# Altium PCB SEC_3002_DZ&HL.PcbDoc (part 3 of 7)
Units mm, origin at the board's own origin, x right, y up, seen from the top; angles counter-clockwise.
Board outline 200 x 170 mm, 2 copper layers (Top Layer, Bottom Layer); 589 components, 413 nets, 1696 pads, 1215 vias.
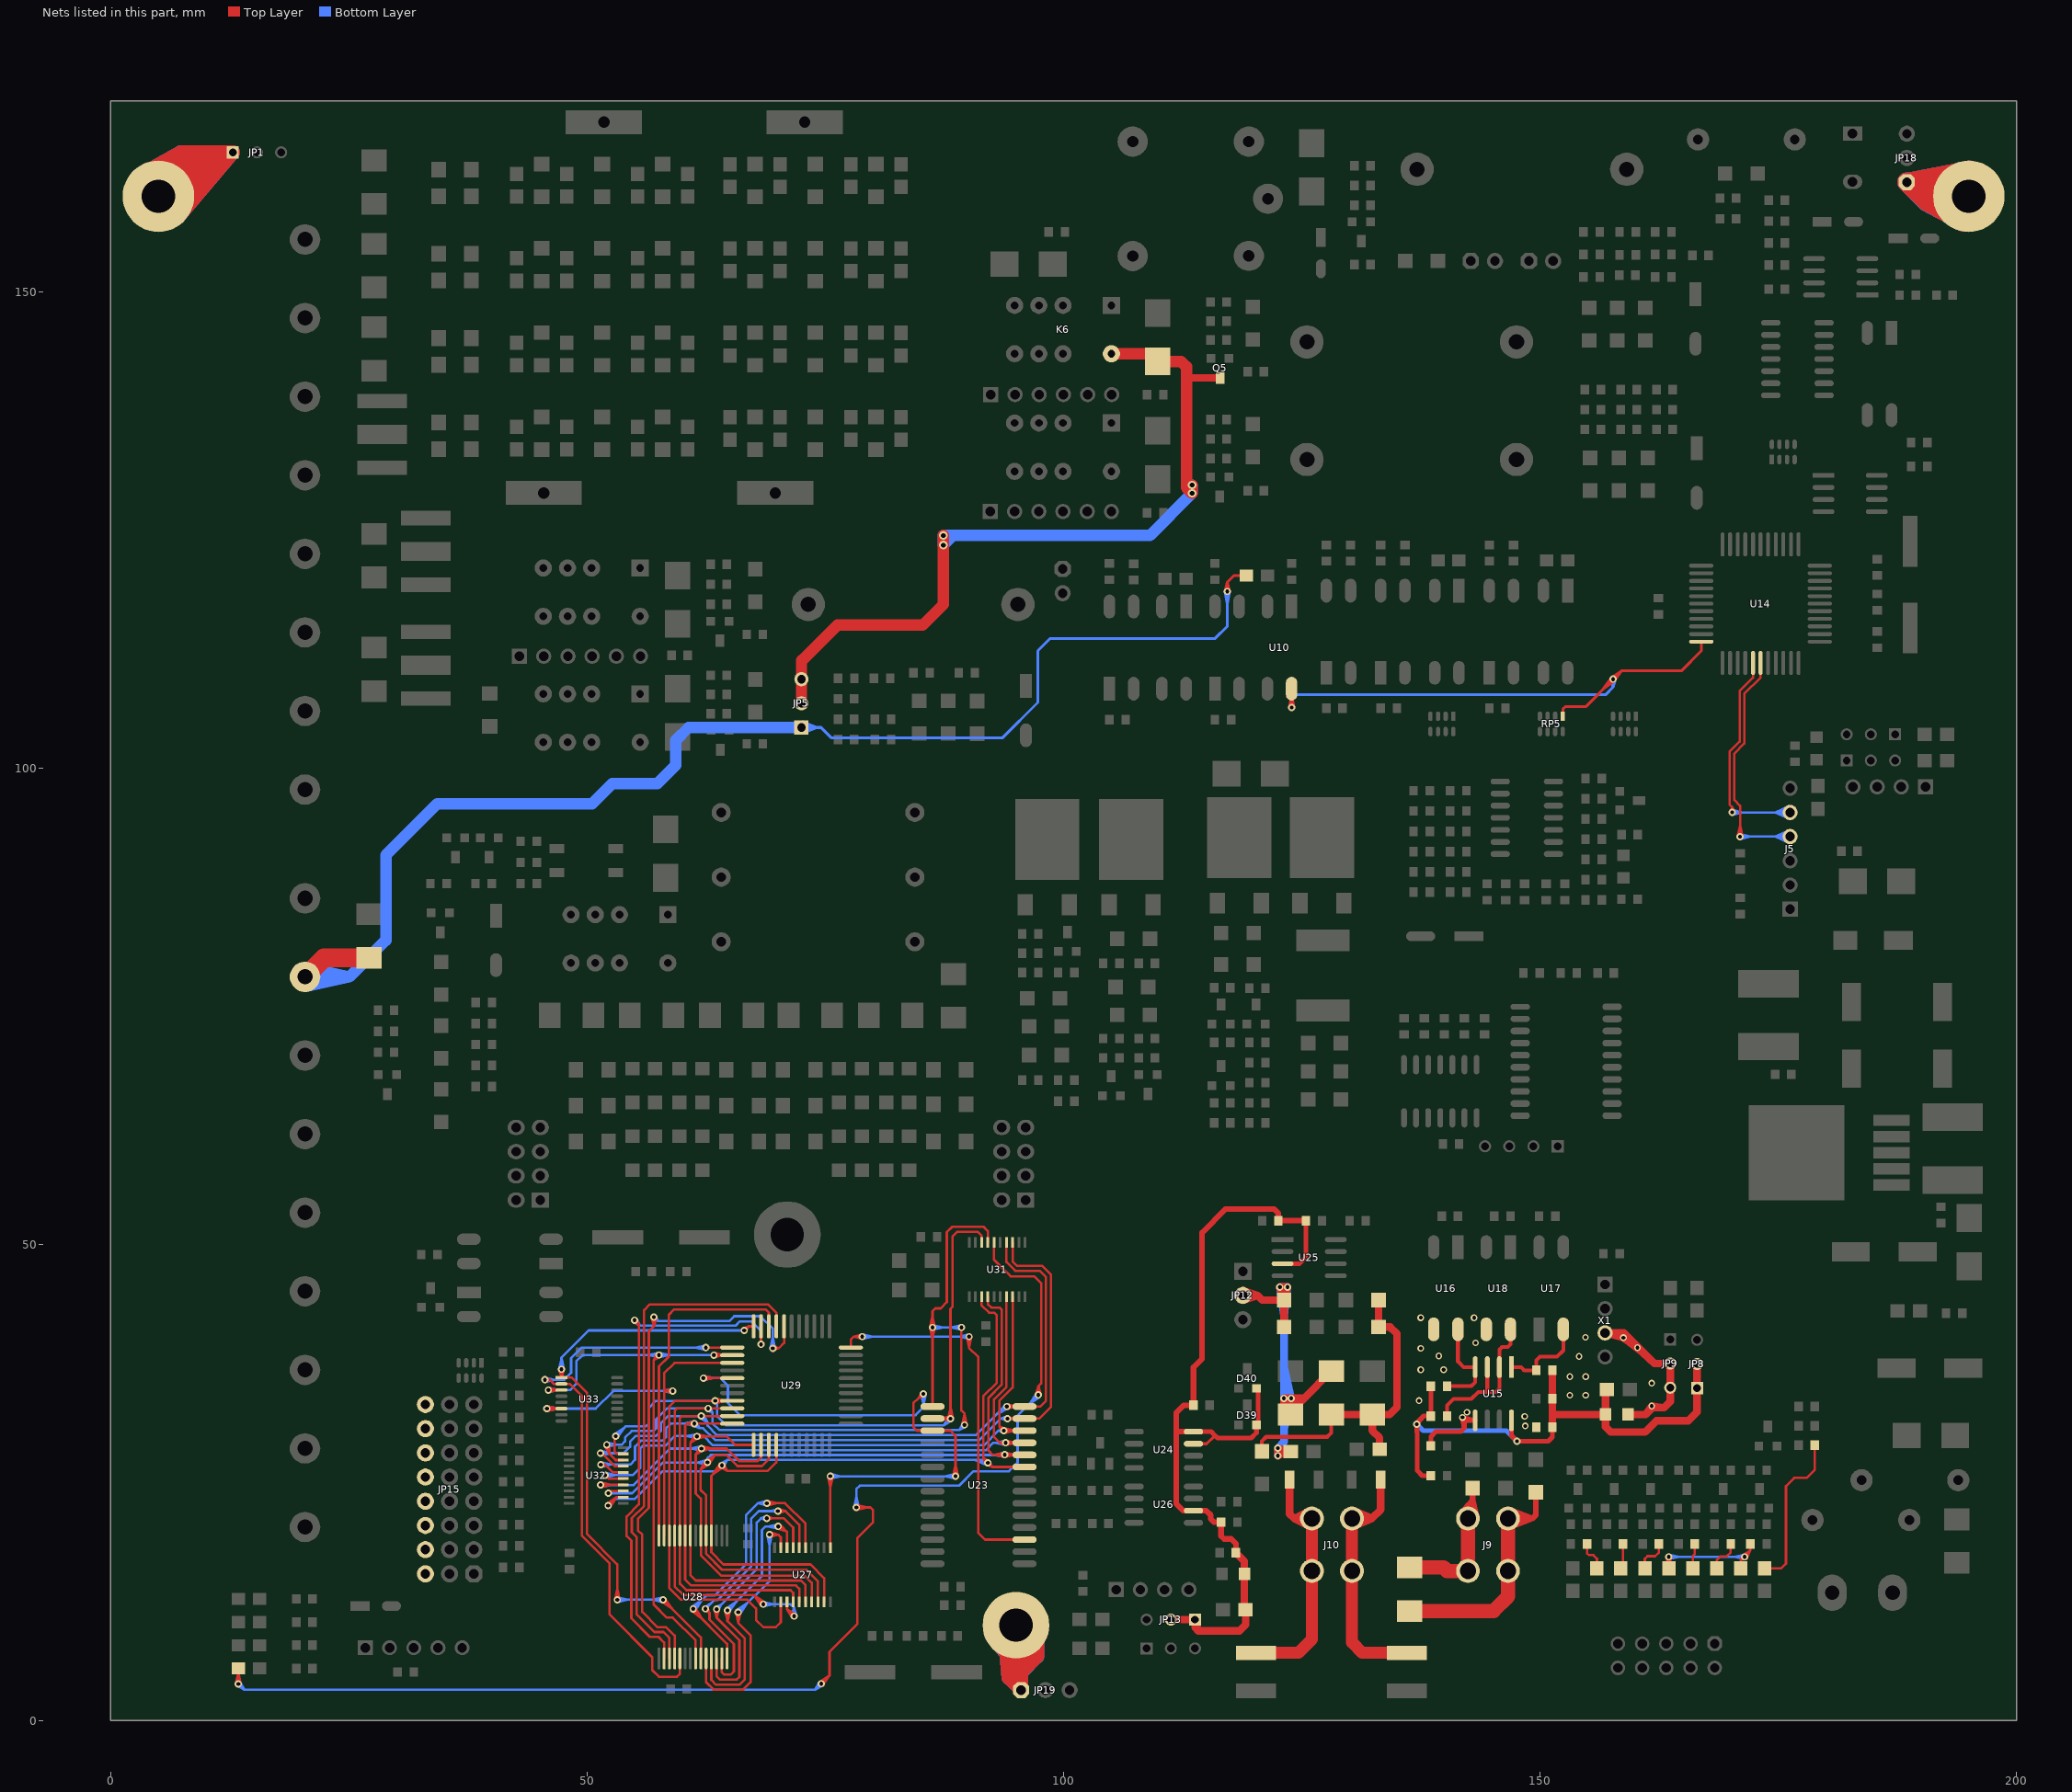
[diagram p3: the nets of this part, all layers, seen from the top]

## Via types
v1: diameter 0.762, hole 0.406, Top Layer to Bottom Layer, tented both sides, 786 vias
v2: diameter 0.7, hole 0.4, Top Layer to Bottom Layer, tented both sides, 375 vias
v3: diameter 1, hole 0.6, Top Layer to Bottom Layer, tented both sides, 41 vias
v4: diameter 0.9, hole 0.5, Top Layer to Bottom Layer, tented both sides, 4 vias
v5: diameter 0.8, hole 0.5, Top Layer to Bottom Layer, tented both sides, 4 vias
v6: diameter 1.016, hole 0.508, Top Layer to Bottom Layer, tented both sides, 3 vias
v7: diameter 0.9, hole 0.6, Top Layer to Bottom Layer, tented both sides, 1 vias
v8: diameter 0.762, hole 0.5, Top Layer to Bottom Layer, tented both sides, 1 vias

## Nets (pads, with @x,y where several pads share a name; then routed paths per layer and width w, separated by ;. In a path a pad name is that pad's centre, name@x,y a point inside that pad or via, vN(x,y) a via of type N, cw(c..) or ccw(c..) an arc to the next point about the centre after c; other vN are vias at no path point) (continued)
A3: U27.15 U28.7 | length 41.1
  Top Layer w0.254: v1@60.95,11.525 61.978,10.726 ; v1@61.332,11.856 61.978,10.726 ; U28.7@64.679,6.507 64.679,8.026 61.125,11.58 v1(61.125,11.709) 61.978,10.726 ; v1(68.856,22.801) 70.77,22.801 72.916,20.655 U27.15@72.916,18.133 ; v1@68.884,22.549 69.999,22.801 v1@68.884,23.053
  Bottom Layer w0.254: v1@60.963,11.905 62.044,12.629 v1@61.321,11.548 ; v1(61.125,11.709) 62.557,13.141 63.412,13.141 66.681,16.41 66.681,21.564 67.918,22.801 ; v1@68.821,22.549 67.918,22.801 ; v1@68.821,23.053 67.918,22.801 ; 67.918,22.801 v1(68.856,22.801) 67.918,22.801
A4: U27.16 U28.6 | length 35.9
  Top Layer w0.254: v1@62.28,11.508 62.836,11.302 ; v1(62.417,11.722) 62.836,11.302 ; v1@62.631,11.859 62.836,11.302 ; U28.6@64.129,6.507 64.129,5.052 64.35,4.83 65.095,4.83 65.393,5.128 65.393,8.024 62.836,10.581 62.836,11.302 ; v1(70.01,21.979) 70.815,21.979 ; v1@70.051,21.728 70.815,21.979 ; v1@70.051,22.229 70.815,21.979 ; U27.16@72.266,18.133 72.266,20.527 70.815,21.979
  Bottom Layer w0.254: v1@62.365,11.918 62.781,12.167 ; v1(62.417,11.722) 62.737,12.042 ; v1@62.628,11.735 62.737,12.042 ; 69.378,22.013 69.46,21.979 ; v1@69.838,21.821 69.46,21.979 ; v1@69.838,22.145 69.259,21.979 ; v1(70.01,21.979) 69.46,21.979 ; 62.737,12.042 62.781,12.167 ; 62.737,12.042 62.982,12.287 ; 62.781,12.167 62.982,12.287 ; 62.982,12.287 63.324,12.629 63.663,12.629 67.223,16.19 67.223,21.193 68.008,21.979 69.259,21.979 ; 69.259,21.979 69.46,21.979
A5: U27.17 U28.5 | length 36.7
  Top Layer w0.254: v1@63.334,11.639 63.586,10.788 ; U28.5@63.579,6.507 63.579,4.629 63.919,4.289 65.692,4.289 65.97,4.568 65.97,8.404 63.586,10.788 ; v1@63.837,11.639 63.586,10.788 ; v1(68.848,21.219) 69.493,21.219 ; v1@68.944,21.031 69.493,21.219 ; v1@68.954,21.421 69.493,21.219 ; U27.17@71.616,18.133 71.616,20.245 70.642,21.219 69.493,21.219 ; 63.586,10.788 v1(63.586,11.676) 63.586,10.788
  Bottom Layer w0.254: v1(63.586,11.676) 64.046,12.136 ; v1@63.587,11.941 64.046,12.136 ; v1@63.812,11.631 64.046,12.136 ; v1@68.796,20.971 68.227,21.219 ; v1@68.796,21.468 68.227,21.219 ; 64.046,12.136 67.797,15.887 67.797,20.79 68.227,21.219 ; 68.227,21.219 v1(68.848,21.219) 68.227,21.219
A6: U27.18 U28.4 | length 41
  Top Layer w0.254: U28.4@63.029,6.507 63.029,4.248 63.528,3.749 65.987,3.749 66.519,4.28 66.519,8.635 64.724,10.43 ; v1@64.472,11.508 64.724,10.43 ; v1@64.977,11.508 64.724,10.43 ; v1@69.945,20.133 70.966,19.822 ; v1(70.047,20.365) 70.966,19.822 ; v1@70.202,20.567 70.966,19.822 ; v1@70.396,20.392 70.966,19.822 ; U27.18@70.966,18.133 70.966,19.822 ; 64.724,10.43 v1(64.724,11.537) 64.724,10.43
  Bottom Layer w0.254: v1@64.563,11.733 65.644,12.457 v1@64.92,11.376 ; v1(64.724,11.537) 68.335,15.147 68.335,19.997 68.703,20.365 v1(70.047,20.365) 68.904,20.365 ; v1@70.019,20.113 68.904,20.365 ; v1@70.019,20.618 68.904,20.365
A7: U27.19 U28.3 | length 39.8
  Top Layer w0.254: U28.3@62.479,6.507 62.479,3.996 63.248,3.227 66.359,3.227 67.151,4.018 67.151,8.927 65.847,10.232 ; v1@65.594,11.339 65.847,10.232 ; v1@66.099,11.339 65.847,10.232 ; v1@69.139,19.484 70.073,19.484 ; v1(69.139,19.503) 70.073,19.484 ; v1@69.168,19.25 70.073,19.484 ; v1@69.179,19.754 70.073,19.484 ; U27.19@70.316,18.133 70.316,19.241 70.073,19.484 ; 65.847,10.232 v1(65.847,11.368) 65.847,10.232
  Bottom Layer w0.254: v1@65.685,11.564 66.766,12.288 v1@66.043,11.207 ; v1(65.847,11.368) 69.139,14.66 v1(69.139,19.503) 69.139,18.36 ; v1@68.887,19.474 69.139,18.36 ; v1@69.391,19.474 69.139,18.36
A8: U28.25 U29.18 | length 64.7
  Top Layer w0.25: v1(69.481,39.067) 70.101,39.067 ; v1@69.533,38.817 70.101,39.067 ; v1@69.533,39.318 70.101,39.067 ; U29.18@70.662,41.371 70.662,39.628 70.101,39.067
  Top Layer w0.254: v1@56.755,42.306 57.007,41.388 ; v1@57.258,42.306 57.007,41.388 ; U28.25@59.179,6.507 59.179,8.896 58.292,9.782 57.387,9.782 55.772,11.397 55.772,19.496 55.322,19.946 55.322,21.162 56.47,22.309 56.47,40.851 57.007,41.388 ; 57.007,41.388 v1(57.007,42.34) 57.007,41.388
  Bottom Layer w0.25: v1@56.872,42.122 57.399,41.948 ; v1(57.007,42.34) 57.399,41.948 ; v1@57.224,42.474 57.399,41.948 ; v1@69.226,39.096 69.481,40.198 v1@69.735,39.096 ; v1(69.481,39.067) 69.481,41.118 68.166,42.433 65.432,42.433 64.947,41.948 57.399,41.948
A9: U28.24 U29.19 | length 55.2
  Top Layer w0.254: U28.24@58.629,6.507 58.629,8.646 57.996,9.278 57.055,9.278 55.177,11.157 55.177,19.261 54.683,19.754 54.683,21.236 55.966,22.518 55.966,43.083 56.564,43.681 57.443,43.681 68.978,43.681 69.849,42.81 U29.19@69.849,41.371
A10: U28.21 U29.20 | length 35.9
  Top Layer w0.254: U28.21@57.529,19.407 57.529,37.173 58.567,38.211 58.567,42.566 59.144,43.143 68.736,43.143 69.062,42.818 U29.20@69.062,41.371
A11: U28.23 U29.21 | length 58.7
  Top Layer w0.254: v1@54.83,41.806 55.423,41.565 ; v1(54.971,42.017) 55.423,41.565 ; v1@55.182,42.158 55.423,41.565 ; U28.23@58.079,6.507 58.079,8.181 57.486,8.774 56.58,8.774 54.628,10.727 54.628,18.872 54.133,19.367 54.133,21.398 55.423,22.688 55.423,41.565 ; v1(68.249,39.477) U29.21@68.249,41.371
  Bottom Layer w0.254: v1@54.822,41.812 55.542,41.446 ; v1(54.971,42.017) 55.542,41.446 ; v1@55.176,42.167 55.542,41.446 ; v1(68.249,39.477) 68.249,40.884 67.241,41.892 66.029,41.892 65.582,41.446 55.542,41.446
A12: U28.2 U29.22 U33.1 | length 79.3
  Top Layer w0.254: v1@47.051,36.821 U33.1@47.303,35.983 ; v1@47.554,36.821 U33.1@47.303,35.983 ; v1@52.906,12.7 53.159,13.814 v1@53.411,12.7 ; v1(53.159,12.671) 53.159,16.395 49.986,19.568 49.986,34.393 48.396,35.983 U33.1@47.303,35.983 ; v1@57.799,12.475 58.88,11.752 v1@58.156,12.833 ; v1(57.96,12.671) 61.929,8.703 U28.2@61.929,6.507 ; v1@66.338,41.155 66.906,41.371 ; v1(66.476,40.942) 66.906,41.371 ; v1@66.69,40.804 66.906,41.371 ; U29.22@67.461,41.371 66.906,41.371 ; U33.1@47.303,35.983 v1(47.303,36.858) U33.1@47.303,35.983
  Bottom Layer w0.254: v1@47.05,36.886 47.303,38.001 v1@47.555,36.886 ; v1(47.303,36.858) 47.303,38.094 50.15,40.942 v1(66.476,40.942) ; v1(53.159,12.671) v1(57.96,12.671) 56.817,12.671 ; v1@53.187,12.419 54.302,12.671 v1@53.187,12.924 ; v1@57.932,12.419 56.817,12.671 ; v1@57.932,12.924 56.817,12.671
A13: U28.26 U29.23 U33.2 | length 70.1
  Top Layer w0.254: v1(45.547,35.758) 46.075,35.758 ; v1@45.608,35.512 46.075,35.758 ; v1@45.608,36.005 46.075,35.758 ; U28.26@59.729,6.507 59.729,4.904 59.407,4.581 57.511,4.581 56.83,5.262 56.83,6.648 52.338,11.14 52.338,16.503 49.444,19.397 49.444,34.071 48.183,35.333 U33.2@47.303,35.333 46.5,35.333 46.075,35.758 ; v1(62.441,39.136) U29.23@65.226,39.136
  Bottom Layer w0.254: v1(45.547,35.758) 47.6,35.758 48.317,36.476 48.317,38.031 49.422,39.136 v1(62.441,39.136) 61.298,39.136 ; v1@45.575,35.506 46.69,35.758 v1@45.575,36.011 ; v1@62.412,38.883 61.298,39.136 ; v1@62.412,39.388 61.298,39.136
A14: U28.1 U29.24 U33.3 | length 73.9
  Top Layer w0.254: v1(45.926,34.683) U33.3@47.303,34.683 ; v1@45.954,34.431 47.069,34.683 v1@45.954,34.936 ; v1@57.318,38.508 56.974,37.809 ; v1@57.672,38.153 56.974,37.809 ; U28.1@61.379,6.507 61.379,8.4 58.989,10.79 58.348,10.79 56.974,12.164 56.974,37.809 ; v1(63.293,38.348) U29.24@65.226,38.348 ; v1@63.321,38.096 64.436,38.348 v1@63.321,38.601 ; 56.974,37.809 v1(57.524,38.36) 56.974,37.809
  Bottom Layer w0.254: v1(45.926,34.683) 48.222,34.683 48.856,35.317 48.856,37.692 49.513,38.348 v1(63.293,38.348) ; v1@45.954,34.431 47.069,34.683 v1@45.954,34.936 ; v1@57.494,38.612 56.381,38.348 ; v1@57.499,38.107 56.381,38.348 ; v1@57.55,38.107 58.668,38.348 ; v1@57.555,38.612 58.668,38.348 ; 56.381,38.348 v1(57.524,38.36) 58.668,38.348
A15: U28.20 U29.25 U33.6 | length 51.7
  Top Layer w0.254: v1(45.773,32.733) U33.6@47.303,32.733 ; v1@45.801,32.481 46.916,32.733 v1@45.801,32.986 ; U28.20@58.079,19.407 58.079,36.439 59.176,37.536 U29.25@65.226,37.536 ; v1@58.947,34.334 58.104,34.586 ; v1@58.947,34.837 58.104,34.586 ; 58.104,34.586 v1(58.984,34.586) 58.104,34.586
  Bottom Layer w0.254: v1(45.773,32.733) 50.893,32.733 52.745,34.586 v1(58.984,34.586) 57.841,34.586 ; v1@45.801,32.481 46.916,32.733 v1@45.801,32.986 ; v1@58.955,34.333 57.841,34.586 ; v1@58.955,34.838 57.841,34.586
AC: L2.2 R183.2 | length 16.9
  Top Layer w0.25: L2.2@173.555,15.968 175.315,15.968 175.813,16.466 175.813,24.589 176.685,25.461 177.966,25.461 178.838,26.333 R183.2@178.838,28.89
ACF: L7.1 R187.2 | length 3.6
  Top Layer w0.25: L7.1@160.999,15.968 160.999,16.965 161.279,17.246 162.083,17.246 162.474,17.637 R187.2@162.474,18.525
AD0: U23.23 U27.9 U28.11 U29.37 U31.3 U32.2 | length 123.9
  Top Layer w0.254: v1@52.038,22.743 53.087,23.434 ; v1(52.199,22.546) 53.087,23.434 ; v1@52.396,22.386 53.087,23.434 ; U32.2@53.807,23.434 53.087,23.434 ; v1@63.933,26.932 63.209,25.851 ; v1@63.979,26.566 64.713,26.187 ; v1@64.291,26.575 63.209,25.851 ; v1@64.334,26.921 64.713,26.187 ; U29.37@69.849,28.925 69.849,27.095 68.942,26.187 64.713,26.187 ; U27.9@74.866,12.433 74.866,14.944 73.431,16.378 64.307,16.378 63.029,17.656 U28.11@63.029,19.407 63.029,25.671 v1(64.129,26.771) ; U31.3@91.399,44.479 91.399,43.567 92.157,42.809 92.705,42.809 92.991,42.524 92.991,35.439 91.568,34.016 91.568,27.555 ; v1@91.839,26.891 91.568,27.555 ; v1@91.924,26.809 92.517,26.605 ; v1@92.207,27.23 91.568,27.555 ; v1@92.259,27.177 92.517,26.605 ; U23.23@95.892,26.605 92.517,26.605 ; 63.209,25.851 v1(64.129,26.771) ; v1(64.129,26.771) 64.713,26.187 ; 91.568,27.555 92.517,26.605 ; 91.568,27.555 v1(92.053,27.028) 92.517,26.605
  Bottom Layer w0.254: v1@52.043,22.747 52.923,23.27 ; v1(52.199,22.546) 52.923,23.27 ; v1@52.4,22.39 52.923,23.27 ; v1@63.923,26.92 63.535,26.163 ; v1@63.982,26.978 64.724,27.353 ; v1@64.282,26.569 63.535,26.163 ; v1@64.333,26.619 64.724,27.353 ; v1@91.975,26.786 90.641,27.353 ; v1@92.088,27.279 90.641,27.353 ; 52.923,23.27 55.006,23.27 57.9,26.163 63.535,26.163 ; 63.535,26.163 64.724,27.353 ; 63.535,26.163 v1(64.129,26.771) 64.724,27.353 ; 64.724,27.353 91.728,27.353 v1(92.053,27.028) 90.641,27.353
AD1: U23.24 U27.8 U28.12 U29.36 U31.4 U32.3 | length 125
  Top Layer w0.254: v1(52.207,23.854) 52.437,24.084 U32.3@53.807,24.084 ; v1@62.419,27.232 61.897,26.353 ; v1@62.462,27.275 63.389,27.845 ; v1@62.776,26.875 61.897,26.353 ; v1@62.819,26.918 63.389,27.845 ; U29.36@69.062,28.925 69.062,27.446 68.316,26.701 65.765,26.701 64.621,27.845 63.389,27.845 ; U27.8@74.216,12.433 74.216,14.606 73.015,15.807 64.165,15.807 62.479,17.493 U28.12@62.479,19.407 62.479,23.592 61.897,24.174 61.897,26.353 ; U31.4@92.049,44.479 92.049,43.695 92.414,43.33 93.278,43.33 93.495,43.113 93.495,35.23 92.107,33.843 92.107,28.345 92.577,27.875 U23.24@95.892,27.875 ; v1@93.795,28.144 92.683,27.875 ; v1@93.802,27.639 92.683,27.875 ; v1@93.851,27.639 U23.24@94.97,27.875 ; v1@93.858,28.144 U23.24@94.97,27.875 ; 61.897,26.353 v1(62.62,27.076) ; 61.897,26.353 v1(62.62,27.076) ; v1(62.62,27.076) 63.389,27.845 ; 92.683,27.875 v1(93.827,27.892) U23.24@94.97,27.875
  Bottom Layer w0.254: v1(52.207,23.854) 54.736,23.854 57.957,27.076 v1(62.62,27.076) ; v1@62.405,27.212 62.965,27.857 ; v1@62.591,26.823 61.477,27.076 ; v1@62.591,27.328 61.477,27.076 ; v1@62.865,27.009 62.965,27.857 ; v1@93.791,28.143 92.682,27.857 ; v1@93.806,27.639 92.682,27.857 ; 61.477,27.076 v1(62.62,27.076) ; v1(62.62,27.076) 62.62,27.511 ; v1(62.62,27.076) 62.965,27.857 ; v1(62.62,27.076) 62.62,27.511 ; 62.62,27.511 62.965,27.857 ; 62.62,27.511 62.377,27.15 62.62,27.511 ; 62.62,27.511 62.863,27.15 62.62,27.511 ; 62.965,27.857 93.791,27.857 v1(93.827,27.892) 92.682,27.857
AD2: U23.25 U27.7 U28.13 U29.35 U31.7 U32.4 | length 123.5
  Top Layer w0.254: v1@51.332,24.734 U32.4@53.807,24.734 ; v1(51.392,24.716) 52.535,24.734 ; v1@51.416,24.969 52.535,24.734 ; v1@51.424,24.464 52.535,24.734 ; v1@61.791,28.691 61.393,27.937 ; v1@62.024,28.288 63.139,28.54 v1@62.024,28.793 ; v1@62.147,28.336 61.393,27.937 ; U29.35@68.249,28.925 68.249,27.602 67.857,27.209 65.969,27.209 64.638,28.54 v1(61.996,28.54) ; U27.7@73.566,12.433 73.566,14.462 72.841,15.186 64.073,15.186 61.929,17.331 U28.13@61.929,19.407 61.929,23.273 61.393,23.809 61.393,27.937 ; v1@93.866,28.897 93.298,29.145 ; v1@93.866,29.394 93.298,29.145 ; v1@93.947,28.893 95.061,29.145 v1@93.947,29.398 ; U31.7@93.999,44.479 93.999,35.022 92.687,33.71 92.687,29.757 93.298,29.145 ; U23.25@95.892,29.145 v1(93.918,29.145) ; 61.393,27.937 v1(61.996,28.54) ; 61.393,27.937 v1(61.996,28.54) ; 93.298,29.145 v1(93.918,29.145) ; 93.298,29.145 v1(93.918,29.145)
  Bottom Layer w0.254: v1(51.392,24.716) 54.882,24.716 58.705,28.54 v1(61.996,28.54) ; v1@51.42,24.464 52.535,24.716 v1@51.42,24.969 ; v1@61.968,28.288 60.853,28.54 ; v1@61.968,28.793 60.853,28.54 ; v1@62.042,28.29 62.696,28.54 ; v1@62.042,28.79 62.696,28.54 ; v1@93.89,28.893 92.775,29.145 ; v1@93.89,29.398 92.775,29.145 ; 60.853,28.54 v1(61.996,28.54) ; v1(61.996,28.54) 62.696,28.54 ; 62.696,28.54 62.876,28.361 91.822,28.361 92.607,29.145 v1(93.918,29.145) 92.775,29.145
AD3: U23.26 U27.6 U28.15 U29.34 U31.8 U32.5 | length 119.4
  Top Layer w0.254: v1(51.884,25.749) 52.249,25.384 U32.5@53.807,25.384 ; v1@61.318,29.973 60.829,29.128 ; v1@61.548,29.566 62.662,29.818 v1@61.548,30.071 ; v1@61.674,29.617 60.829,29.128 ; U29.34@67.461,28.925 65.524,28.925 64.63,29.818 v1(61.519,29.818) ; U27.6@72.916,12.433 72.916,14.213 72.447,14.682 61.401,14.682 60.829,15.255 U28.15@60.829,19.407 60.829,29.128 ; v1@93.522,30.273 93.254,30.893 ; v1@93.76,30.163 94.875,30.415 v1@93.76,30.668 ; v1@93.875,30.625 93.254,30.893 ; U31.8@94.649,44.479 94.649,34.959 93.254,33.564 93.254,30.893 ; U23.26@95.892,30.415 v1(93.732,30.415) ; 60.829,29.128 v1(61.519,29.818) ; 60.829,29.128 v1(61.519,29.818) ; 93.254,30.893 v1(93.732,30.415) ; 93.254,30.893 v1(93.732,30.415)
  Bottom Layer w0.254: v1(51.884,25.749) 54.795,25.749 55.545,26.5 55.545,28.532 55.881,28.868 58.236,28.868 59.236,29.868 62.222,29.868 ; v1@51.912,25.497 53.027,25.749 v1@51.912,26.001 ; v1@61.48,29.567 60.374,29.868 ; v1@61.502,30.072 60.374,29.868 ; v1@61.547,30.071 62.222,29.868 ; v1@61.582,29.572 62.222,29.868 ; v1@93.675,30.168 93.164,30.415 ; v1@93.675,30.663 93.164,30.415 ; 60.374,29.868 v1(61.519,29.818) 62.222,29.868 ; 62.222,29.868 63.195,28.895 91.645,28.895 93.164,30.415 ; 93.164,30.415 v1(93.732,30.415) 93.164,30.415
AD4: U23.27 U27.5 U28.16 U29.33 U31.13 U32.6 | length 125.3
  Top Layer w0.254: U32.6@53.807,26.034 52.69,26.034 51.867,26.857 ; v1@61.202,30.91 60.459,31.16 ; v1@61.202,31.411 60.459,31.16 ; U29.33@65.226,31.16 v1(61.243,31.16) ; U27.5@72.266,12.433 72.266,13.84 71.927,14.178 60.891,14.178 60.279,14.791 U28.16@60.279,19.407 60.279,30.98 60.459,31.16 ; U31.13@94.649,50.179 94.649,48.199 95.146,47.702 97.767,47.702 98.653,46.815 98.653,32.897 97.441,31.685 U23.27@95.892,31.685 ; 51.867,26.857 v1(51.425,26.857) 51.867,26.857 ; 51.867,26.857 51.498,27.1 51.867,26.857 ; 51.867,26.857 51.498,26.614 51.867,26.857 ; 60.459,31.16 v1(61.243,31.16) ; 60.459,31.16 v1(61.243,31.16)
  Top Layer w0.4: v1(94.101,31.685) U23.27@95.892,31.685
  Bottom Layer w0.254: v1(51.425,26.857) 54.523,26.857 55.023,27.357 55.023,28.742 55.653,29.372 57.909,29.372 58.262,29.725 58.262,30.658 58.765,31.16 v1(61.243,31.16) ; v1@51.454,26.605 52.568,26.857 v1@51.454,27.11 ; v1@61.113,30.942 61.797,30.681 ; v1@61.215,30.908 60.1,31.16 ; v1@61.215,31.413 60.1,31.16 ; v1@61.441,31.32 61.797,30.681 ; v1@94.055,31.436 93.398,31.685 ; v1@94.055,31.935 93.398,31.685 ; 60.1,31.16 v1(61.243,31.16) ; v1(61.243,31.16) 61.317,31.16 61.797,30.681 ; v1(61.243,31.16) 61.797,30.681 ; 61.797,30.681 62.177,30.681 63.425,29.433 91.146,29.433 93.398,31.685 ; 93.398,31.685 v1(94.101,31.685) 93.398,31.685
AD5: U23.28 U27.4 U28.17 U29.32 U31.14 U32.7 | length 120.6
  Top Layer w0.254: v1(51.383,28.054) 51.522,28.054 52.891,26.684 53.166,26.684 ; U29.32@65.226,31.948 59.915,31.948 59.729,31.762 U28.17@59.729,19.407 59.729,14.348 60.402,13.674 71.339,13.674 71.616,13.398 U27.4@71.616,12.433 ; U31.14@93.999,50.179 93.999,48.136 94.937,47.198 97.489,47.198 98.149,46.537 98.149,33.534 97.571,32.955 U23.28@95.892,32.955 v1(94.045,32.955) ; v1@94.074,32.703 95.188,32.955 v1@94.074,33.208
  Bottom Layer w0.254: v1(51.383,28.054) 53.836,28.054 54.501,28.718 54.501,29.252 55.124,29.876 57.226,29.876 57.753,30.402 57.753,31.216 58.493,31.956 v1(61.973,31.956) 62.63,31.299 ; v1@51.411,27.801 52.526,28.054 v1@51.411,28.306 ; v1@61.82,31.754 62.63,31.299 ; v1@62.175,32.109 62.63,31.299 ; v1@93.872,33.141 92.993,32.15 ; v1@94.18,32.74 92.993,32.15 ; 62.63,31.299 62.63,30.941 63.628,29.943 90.786,29.943 93.798,32.955 v1(94.045,32.955) 92.993,32.15
AD6: U23.1 U27.3 U28.18 U29.31 U31.17 U32.8 | length 158.6
  Top Layer w0.254: v1@51.819,28.841 52.322,27.993 ; v1@52.304,28.978 52.322,27.993 ; U32.8@53.807,27.334 52.981,27.334 52.322,27.993 ; U29.31@65.226,32.76 59.442,32.76 59.179,32.497 U28.18@59.179,19.407 59.179,14.06 60.069,13.17 67.498,13.17 v1(68.473,12.196) 67.553,13.115 ; v1@68.277,12.034 67.553,13.115 ; v1@68.634,12.392 67.553,13.115 ; U27.3@70.966,12.433 70.966,11.695 ; v1@71.512,10.792 70.966,11.695 ; v1@71.869,11.149 70.966,11.695 ; v1@85.99,41.224 86.24,40.109 ; v1@85.99,41.28 86.24,42.395 ; U23.1@86.24,32.955 86.24,42.956 86.541,43.257 87.089,43.257 87.742,43.91 87.742,51.261 88.302,51.822 91.603,51.822 92.049,51.376 U31.17@92.049,50.179 ; v1@86.495,41.223 86.24,40.109 ; v1@86.495,41.281 86.24,42.395 ; v1(89.272,41.252) 89.272,32.541 89.599,32.214 v1(89.599,31.024) ; v1@89.347,31.052 89.599,32.167 v1@89.852,31.052 ; 52.322,27.993 52.322,28.671 v1(52.053,28.941) 52.322,27.993 ; 70.966,11.695 v1(71.712,10.949) 70.966,11.695 ; 86.24,40.109 v1(86.242,41.252) 86.24,42.395